# Altium PCB PCB.PcbDoc (continued)
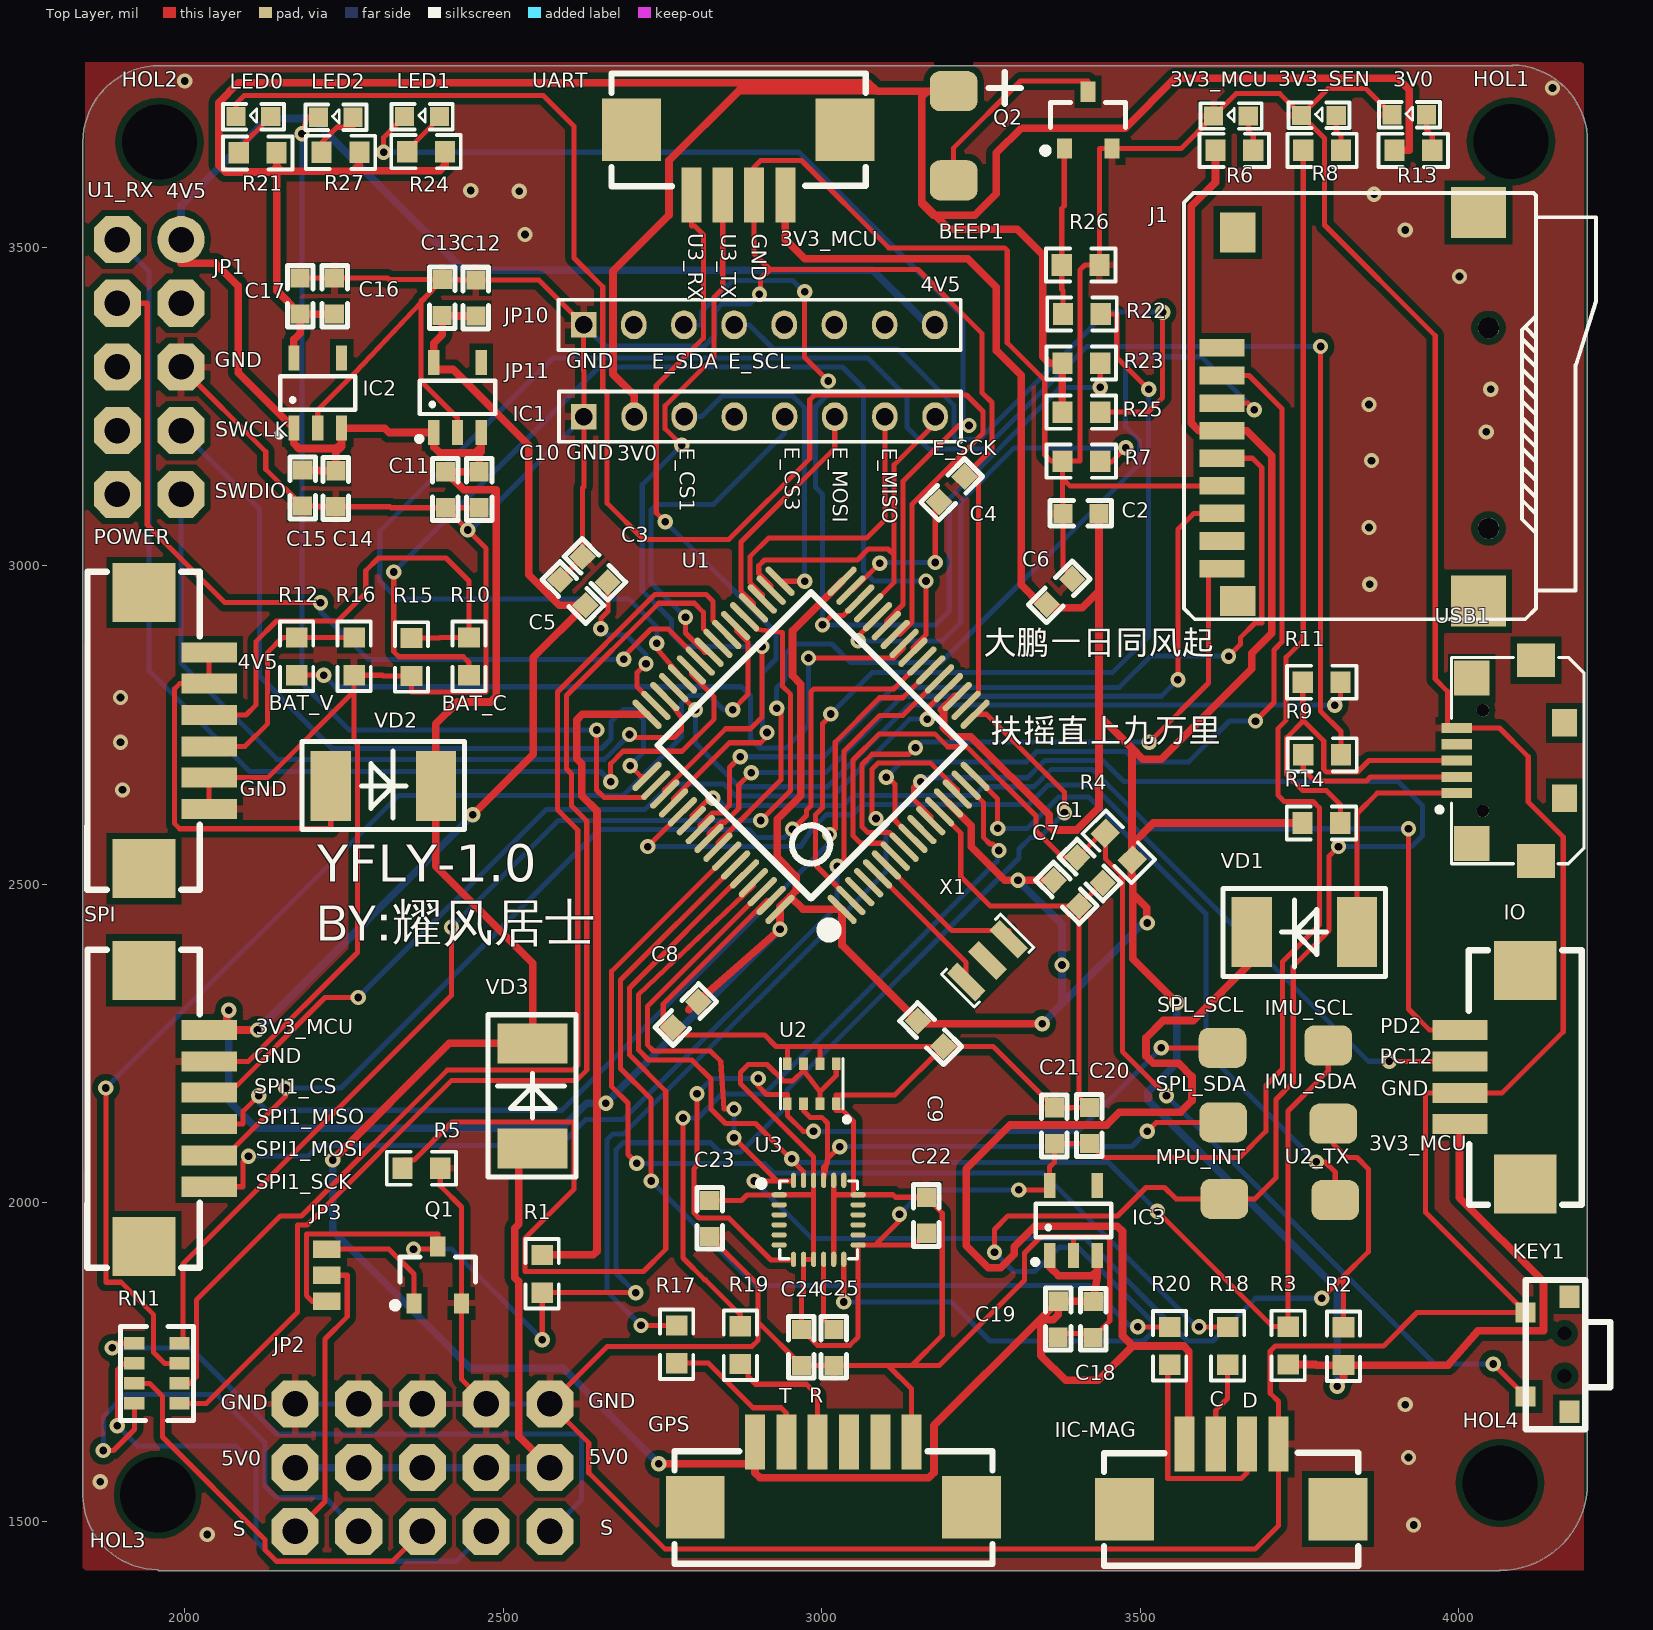
[diagram p0: Top Layer view]
## Nets (pads, with @x,y where several pads share a name; then routed paths per layer and width w, separated by ;. In a path a pad name is that pad's centre, name@x,y a point inside that pad or via, vN(x,y) a via of type N, cw(c..) or ccw(c..) an arc to the next point about the centre after c; other vN are vias at no path point)
3V0: BEEP1.1 C16.2 C17.2 IC2.5 JP11.2 R13.1 R21.1 R23.2 R24.1 R25.2 R27.1 | length 4614.3
  Top Layer w12: R21.1 2144,3627 ; IC2.5 2171.2,3355 2181,3364.8 C17.2 ; C16.2 C17.2 ; R27.1 2274,3629 ; R24.1 2408.31,3628.31 2400,3620 2274,3620 2274,3629 ; JP11.2 2705.3,3267.7 2672.04,3300.96 2672.04,3462.04 2760,3550 2760,3636 2870,3746 3085,3746 ; BEEP1.1 3166,3745 ; R25.2 R23.2 3356.95,3318.05 3347,3328 3347,3488 3307,3528 3200,3528 3178,3550 ; R13.1 3922,3652 3922,3747 3904,3765 3554,3765 3476,3687 3313,3687 3274,3648 3274,3584 3240,3550 3178,3550 ; 2144,3626 2144,3627 ; 2144,3626 2144,3432 C17.2 ; 2144,3626 2136,3618 2064,3618 2053,3629 2053,3727 2084,3758 3073,3758 3085,3746 ; 2144,3627 2152,3619 2264,3619 2274,3629 ; 3085,3746 3086,3745 3166,3745 ; 3157,3571 3157,3568 3175,3550 3178,3550 ; 3157,3571 3178,3550 ; 3157,3571 3157,3736 3166,3745
3V3_MCU: C2.1 C5.2 C6.2 C7.2 C8.2 C9.2 C12.2 C13.2 IC1.5 IO.1 J1.4 R1.1 R2.1 R3.1 R4.2 R6.1 R14.2 SPI.1 U1.1 U1.13 U1.19 U1.32 U1.48 U1.64 UART.1 | length 11388.8
  Top Layer w12: SPI.1 SPI.1@2066,2271.04 ; v1(2069,2302) 2066,2299 SPI.1@2066,2271.04 ; v1(2114.04,2271.04) SPI.1@2066,2271.04 ; v1(2452,2609) 2547,2704 2547,2856 C5.2 2588,2938 2540,2986 2540,3189 2421,3308 2390.6,3308 IC1.5 2390.6,3349 2403.94,3362.34 C13.2 2430,3392.5 2430.5,3392 C12.2 ; R1.1 2641,1918 2647,1924 2647,2615 2623,2639 2623,2689 2615,2697 2615,2757.71 2624,2766.71 U1.48 ; 2791,2303 v1(2934.3,2429.3) U1.64 2934.3,2464.41 U1.64@2950.45,2480.55 ; UART.1 2942.82,3512.18 2973,3482 3229,3482 3274.08,3436.92 3274.08,3337.92 3313,3299 3313,2970 3343.91,2939.09 C6.2 ; U1.32 2954,2897.79 2954,2827 2967,2814 2967,2639 2930,2602 2930,2542 2960,2512 2960,2490.11 U1.64@2950.45,2480.55 ; U1.13 3234.65,2591.63 3234.65,2558.73 3287.39,2506 v1(3307.89,2506) C7.2 ; U1.19 3208.76,2794.55 3187.85,2773.64 3191,2770.49 3191,2746 3205.31,2731.69 3234.03,2731.69 3357,2608.72 3357,2591.31 3363.17,2585.15 3400.15,2585.15 3435,2620 3435,2765 ; v1(3346,2281) 3155.09,2281 C9.2 3031.72,2404.37 U1.1 2970.49,2460.51 U1.64@2950.45,2480.55 ; C6.2@3362,2934.09 3409.09,2934.09 3435,2960 ; C2.1 3435,2960 ; v1(3511,2439) 3510,2440 3510,2463 3488,2485 ; v1(3557,2314) 3488,2383 3488,2485 ; R6.1 3618,3602 3580,3564 3580,3223.98 3592,3211.98 J1.4 3667.02,3211.98 3706.56,3172.44 3706.56,2894 3675,2862.44 3675,2838 3533,2696 3504,2696 3487,2713 ; R3.1 3775,1746 3776,1745 R2.1 ; R14.2 3520,2596 3487,2563 ; v1(3809,1712) 3819,1722 R2.1 ; IO.1 4001,2123.18 4001,2008 4133,1876 4133,1799 4030,1799 3983,1745 R2.1 ; 3435,2765 3487,2713 ; 3435,2765 3435,2960 ; 3487,2563 3487,2713 ; 3487,2563 R4.2 3486.2,2537.2 3486.2,2514.78 3488.21,2512.77 3488.21,2491.23 3488,2491.02 3488,2485
  Bottom Layer w12: v1(2069,2302) 2069,2160 2112,2117 2592,2117 2631,2156 v1(2661,2156) v1(2934.3,2429.3) ; v1(2114.04,2271.04) v1(2452,2609) ; v1(3307.89,2506) 3377,2436.88 v1(3377,2373) 3377,2312 ; v1(3346,2281) 3377,2312 ; v1(3511,2439) 3504,2439 3377,2312 ; v1(3557,2314) 3557,2219 3512,2174 3512,2161 3809,1864 v1(3809,1712)
3V3_SEN: C20.2 C21.2 C22.2 C23.2 C24.2 IC3.5 R8.1 U2.2 U2.6 U2.8 U3.1 U3.8 U3.9 U3.13 U3.22 | length 3641.9
  Top Layer w8: C23.2 2874,2003.5 2882.5,2012 2932,2012 2932,2012.37 U3.1 2987.13,2012.37 ; U2.6 2971.41,2208 ; U2.2 2997,2174 ; U2.8 3022.59,2199.59 2997,2174 ; v1(3122,1982) 3122,1971.63 3084,1933.63 ; C22.2 3145.63,1933.63 3084,1933.63 ; v1(3309,2020) 3357.6,2020 IC3.5 3357.6,2056 3365.06,2063.47 C21.2 3392,2092.5 3392.5,2093 C20.2 3442,2071 3656,2071 3697,2112 3697,2184 3723.24,2210.24 3723.24,2378.24 3781,2436 3781,2620 3771.16,2629.84 3725.97,2629.84 3715.81,2640 3715.81,2744.01 3729,2757.19 3729,2856.44 3755.69,2883.13 R8.1 ; 2971.41,2208 2997,2174 ; 2971.41,2208 2954.41,2191 2940.07,2191 2914.07,2217 2884.47,2217 2872,2204.53 2872,2187 2987.13,2071.87 U3.22 2987.13,2012.37 ; 2987.13,2012.37 U3.9 U3.8 2971.38,1857.38 2968,1854 C24.2 2993,1776 3044,1776 3057,1789 U3.13 3084,1933.63
  Bottom Layer w8: v1(3122,1982) 3160,2020 v1(3309,2020)
4V5: C10.2 C11.2 C14.2 C15.2 C18.2 C19.2 GPS.1 IC1.1 IC1.3 IC2.1 IC2.3 IC3.1 IC3.3 IIC-MAG.1 JP1.1 JP10.8 VD1.2 VD2.2 VD3.2 | length 7697
  Top Layer w12: JP1.1 1994,3475 2048,3475 2084,3439 2084,3303.2 IC2.1 2171.2,3192 2179.2,3184 2238,3184 2246,3192 ; C15.2 2210,3150 2211,3149 C14.2 2237,3178 2246,3187 2246,3192 ; v1(2232,2067) 2415,2250 VD3.2 2546,2376 2394,2528 VD2.2 2394,2752 2428,2786 2480,2786 2489.01,2795.01 2489.01,3119 2437.56,3119 C11.2 C10.2 2462.06,3176 2465.4,3179.34 2465.4,3186.4 ; IC1.3 2465.4,3186.4 ; v1(2744,1590) GPS.1@2894.97,1590 ; GPS.1 GPS.1@2894.97,1590 ; IC3.1 3357.6,1899 3371.6,1885 3424,1885 3432.4,1893.4 ; IC3.3 3432.4,1893.4 ; IIC-MAG.1 3569.18,1649 3576,1655.82 3576,1665.82 3576,1767 3568,1775 3488,1775 ; VD1.2 3675,2378 3583,2286 3536,2286 3509,2259 3509,2230 3520,2219 3560,2219 3581,2198 3581,2160 3563,2142 3467,2142 3447,2122 3296,2122 3226.91,2052.91 3226.91,1932.15 3261.06,1898 3280.94,1898 3302,1919.06 3302,1931 3334,1963 3464,1963 3472,1955 3472,1791 3488,1775 ; 2246,3192 IC2.3 2314,3216 2321,3209 IC1.1 2390.6,3186.4 2400,3177 2456,3177 2465.4,3186.4 ; GPS.1@2894.97,1590 2894.97,1576 2902.97,1568 3168,1568 3176,1576 3176,1650.19 3342.91,1817.09 C19.2 ; C19.2 3398.25,1845 C18.2 3432.4,1883.4 3432.4,1893.4 ; C19.2 3371.06,1824 3363.06,1816 3344,1816 3344,1760 3383,1721 3434,1721 3488,1775
  Bottom Layer w12: JP1.1 1994,3566 2130,3702 2200,3702 2438,3464 3080,3464 3166,3378 JP10.8 ; v1(2232,2067) 2232,1956 2448,1740 2594,1740 v1(2744,1590)
5V0: JP2.2 JP2.5 JP2.8 JP2.11 JP2.14 VD3.1 | length 948.3
  Top Layer w12: VD3.1 2524,2085 2524,1965.88 2517.99,1959.88 2517.99,1882.13 2524,1876.12 2524,1633 JP2.2
  Bottom Layer w12: JP2.14 JP2.11 JP2.8 JP2.5 JP2.2
BATT_CUR: R10.1 U1.24 | length 1666.7
  Top Layer w8: v1(2328,2990) 2328,2865 2336,2857 2437,2857 2446,2848 R10.1 ; U1.24 3143.07,2870.88 3163.59,2891.41 v1(3163.59,2976)
  Bottom Layer w8: v1(2328,2990) 2650,3312 3032.5,3312 3065.45,3279.05 3065.45,2992 3081.45,2976 v1(3163.59,2976)
BATT_VOL: R12.1 U1.25 | length 1175.1
  Top Layer w8: R12.1 v1(2217.93,2828.07) ; v1(2979,2855) 3112.82,2855 3128.15,2870.33 3128.15,2878.07 U1.25
  Bottom Layer w8: v1(2217.93,2828.07) 2236,2810 2874,2810 2888,2796 2888,2728.24 2902.24,2714 2944,2714 2979,2749 v1(2979,2855)
BEEP: R22.1 U1.2 | length 1426.9
  Top Layer w8: v1(3014,2767.1) 3014,2765 3001,2752 3001,2620 2990,2609 2990,2530.06 U1.2 ; R22.1 3463,3395 3463,3327 v1(3513,3277)
  Bottom Layer w8: v1(3014,2767.1) 3078.9,2832 3456,2832 3513,2889 v1(3513,3277)
E_CS1: JP11.3 U1.33 | length 521.3
  Top Layer w8: U1.33 v1(2973,2975.5)
  Bottom Layer w8: JP11.3 2811,3234 2843.5,3266.5 2954.5,3266.5 2973,3248 v1(2973,2975.5)
E_CS3: JP11.5 U1.41 | length 550.7
  Top Layer w8: v1(2786,2919) 2786,2894.36 2816.21,2864.15 U1.41
  Bottom Layer w8: v1(2786,2919) 2732,2973 2732,3088 2740,3096 2829.52,3096 2941.52,3208 JP11.5
E_MISO: JP11.7 U1.35 | length 472.4
  Top Layer w8: U1.35 2906.46,2954.4 2887,2973.86 2887,3014 2916.15,3043.15 3070.15,3043.15 3099,3072 JP11.7
E_MOSI: JP11.6 U1.36 | length 369.3
  Top Layer w8: U1.36 2892.54,2940.48 2873,2960.02 2873,3037 3020.26,3184.26 JP11.6
E_SCK: JP11.8 U1.29 U1.34 | length 617.2
  Top Layer w8: U1.34 2920.38,2968.32 2901,2987.7 2901,3000 2910,3009 3056,3009 3073,3026 3104,3026 3113.59,3016.41 ; U1.29 3113.59,2973.87 3113.59,3016.41 ; JP11.8 3177.74,3222.74 3113.59,3158.59 3113.59,3016.41
E_SCL: JP10.4 R25.1 | length 1100.5
  Top Layer w8: R25.1 3512.08,3241.08 3535,3264 v1(3535,3398)
  Bottom Layer w8: JP10.4 2886,3378 2924,3340 3119,3340 3207.74,3251.26 3207.74,3202 3211.74,3198 3246.96,3198 3446.96,3398 v1(3535,3398)
E_SDA: JP10.3 R23.1 U1.30 | length 1596.3
  Top Layer w8: v1(2973,3430) 2973,3327 v1(3010,3290) ; v1(3001,2907) 3016,2922 3033.89,2922 U1.30 ; v1(3437,3280) R23.1
  Bottom Layer w8: JP10.3 2811,3378 2811,3398.54 2860.46,3448 2954,3448 2972,3430 v1(2973,3430) ; v1(3010,3290) 3010,3269 2990,3249 2990,3123 3001,3112 v1(3001,2907) 3178,2907 3200,2929 3200,3105.18 3374.82,3280 v1(3437,3280)
GND: 3V0.2 3V3_MCU.2 3V3_SEN.2 C1.1 C2.2 C3.2 C4.1 C5.1 C6.1 C7.1 C8.1 C9.1 C10.1 C11.1 C12.1 C13.1 C14.1 C15.1 C16.1 C17.1 C18.1 C19.1 C20.1 C21.1 C22.1 C23.1 C24.1 C25.1 GPS.6 IC1.2 IC2.2 IC3.2 IIC-MAG.4 IO.2 J1.6 JP1.5 JP2.3 JP2.6 JP2.9 JP2.12 JP2.15 JP10.1 JP11.1 KEY1.1 POWER.5 POWER.6 Q1.2 Q2.2 R5.1 R7.1 R15.1 R16.1 R26.1 SPI.2 U1.12 U1.18 U1.63 U2.1 U2.5 U2.7 U3.11 U3.18 U3.20 UART.2 USB1.5 | length 17336.2
  Top Layer w8: JP1.5 2127,3179 2127,3151.44 C15.1 2210,3093.5 2211,3092.5 C14.1 2322,3092.5 2323.5,3091 C11.1 ; SPI.2 2100,2221.83 2271,2392.83 2271,2719 2265.7,2724.3 2265.7,2802.89 ; POWER.6 POWER.5 2130,2667.19 2265.7,2802.89 ; C17.1 C16.1 2318,3451.5 2320.5,3449 C13.1 ; IC2.2 2208.6,3244.6 2267,3303 2371,3413.83 ; R5.1 2401,2026.4 2434.4,1993 Q1.2 2434.4,1722.6 JP2.6 ; IC1.2 2428,3232 2371,3289 2371,3413.83 ; C10.1 C11.1 ; C5.1 2624.09,3013 C3.2 2624.09,3122 2626.56,3124.47 JP11.1 2626.56,3305 2626.04,3305.52 JP10.1 2555.54,3448.5 C12.1 2430.5,3448.5 2430,3449 C13.1 ; C23.1 2900,1871 2900,1812.44 ; v1(2902,3426) 2903.5,3427.5 2903.5,3450 2918.5,3465 ; U1.63 2913.65,2474.43 2751,2311.78 2751,2263.09 2910.24,2263.09 2928.13,2245.2 2945.82,2245.2 ; U2.5 2945.82,2245.2 ; U2.7 2997,2245.2 ; U3.11 3018.62,2012.37 ; U3.20 3018.62,2012.37 ; GPS.6 3141.04,1707.46 3104,1744.5 ; U1.12 3218,2580.45 3218,2512 3264,2466 C7.1 ; U1.18 3246,2800.04 3246,3140 C4.1 3267,3183 3267,3256 3251.74,3271.26 3251.74,3364.26 3151,3465 2918.5,3465 ; C19.1 3376.9,1794.65 3419.78,1794.65 C18.1 3452,1814.56 3452,1947 3395,1947 ; IC3.2 3395,1947 ; C6.1@3402,2974 3378.5,2997.5 C2.2 3377.69,3122.81 3377.69,3137 ; C1.1 3440,2502 C7.1 ; J1.6 3389.33,3125.36 3377.69,3137 ; 3V0.2 3854,3749 3795,3749 3V3_SEN.2 ; 2265.7,2802.89 R16.1 2310,2828 2311,2827 R15.1 2355.85,2802 2473.01,2802 2473.01,3026.99 v1(2444,3056) C11.1 ; 2371,3413.83 C13.1 ; 2371,3413.83 2371,3416 C13.1 ; 2900,1812.44 2900,1784 2890,1774 2663,1774 JP2.3 2634,1623 2634,1576 2754,1456 3680,1456 3716.82,1492.82 IIC-MAG.4 3716.82,1688 3704,1700.82 3704,1767 3712,1775 3882,1775 3934.54,1827.54 KEY1.1 3948,1984.51 3948,2172.39 IO.2 4068,2172.39 4164,2268.39 4164,2574 4109,2629 4109,2700.24 4064,2745.24 USB1.5 3982,2745.24 3982,2803 3963,2822 3963,3361 3789,3535 3789,3671 3V3_SEN.2 ; 2900,1812.44 C24.1 C25.1 3104,1744.5 ; 2918.5,3465 2893.61,3489.89 UART.2 2893.61,3625.61 2904,3636 2968,3636 3105,3499 3287,3499 3291,3495 3291,3350 3350,3291 3350,3174.11 3360,3164.11 R7.1 ; 2945.82,2245.2 2997,2245.2 ; 2997,2245.2 C9.1 ; 3018.62,2012.37 U3.18@3050,2012.37 ; U3.18@3050,2012.37 3050,2128 3033,2145 3022.59,2145 U2.1 3022.59,2169 3114.6,2169 C9.1 ; U3.18@3050,2012.37 U3.18 3111.87,2012.37 3115.74,2008.5 C22.1 3189,1983.56 3189,1792 3141.5,1744.5 ; 3104,1744.5 3141.5,1744.5 ; 3141.5,1744.5 3184.46,1744.5 3318,1878.04 3318,1921 3344,1947 3395,1947 ; C9.1 3268.93,2245.2 C21.1 3392,2149 3392.5,2149.5 C20.1 3404,2165.56 C7.1 ; 3377.69,3137 R7.1 ; R7.1 3405,3164.11 3405,3464 3413,3472 R26.1 3436,3654.71 Q2.2 3563.71,3654.71 3V3_MCU.2 3650,3741 3719,3741 3V3_SEN.2
  Bottom Layer w8: JP2.15 JP2.12 JP2.9 JP2.6 JP2.3 ; v1(2444,3056) 2448.56,3056 JP11.1 ; JP10.1 2659.04,3345 2816,3345 2832.26,3361.26 2832.26,3400 2842.76,3410.5 2886.5,3410.5 v1(2902,3426)
  other v1: 2035,1479 3929,1494 1867,1562 3921,1600 3916,1683 1902,2648 1899,2723 1899,2793 3860,2971 3859,3060 3863,3165 4043,3210 3859,3253 4050,3277 4001,3454 2534,3520 3916,3527 3867,3583 2525,3588 2449,3589 4147,3750 2000,3761
I2C1_SCL: R18.1 U1.58 | length 1607.5
  Top Layer w8: v1(2709.25,2061.75) 2695.55,2075.45 2695.55,2156.54 2670,2182.09 2670,2363.24 U1.58 ; v1(3592,1805) R18.1
  Bottom Layer w8: v1(2709.25,2061.75) 2909.7,2061.75 2924.67,2046.77 3346.75,2046.77 3588.52,1805 v1(3592,1805)
I2C1_SDA: R20.1 U1.59 | length 1499.7
  Top Layer w8: v1(2732,2034) 2732,2162.81 2684,2210.81 2684,2349.4 U1.59 ; v1(3496,1805) R20.1
  Bottom Layer w8: v1(2732,2034) 2896,1870 3420,1870 3481.94,1808.06 3492.94,1808.06 v1(3496,1805)
IMU_SCL: IMU_SCL.1 R3.2 U1.61 U3.23 | length 2077.3
  Top Layer w8: U1.61 2892.54,2497 2712,2326.47 2712,2240 2727.91,2224.09 2795.91,2224.09 2826,2194 2826,2147 2848.84,2124.16 2895.84,2124.16 v1@2951.92,2068.08 ; v1(2952.84,2069) v1@2951.92,2068.08 ; U3.23 2971.38,2048.62 v1@2951.92,2068.08 ; v1(3526.68,1986.63) 3708,1805.31 R3.2 3732,2144 3795,2207 IMU_SCL.1
  Bottom Layer w8: v1(2952.84,2069) 2958.68,2063.16 3450.15,2063.16 v1(3526.68,1986.63)
IMU_SDA: IMU_SDA.1 R2.2 U1.62 U3.24 | length 2174.3
  Top Layer w8: v1(2862,2102) 2930,2034 ; v1(2862,2147) 2846.5,2147 2841.24,2221.86 2825,2238.09 2735.91,2238.09 2726,2248 2726,2307.89 U1.62 ; v1(2894,2034) 2930,2034 ; U3.24 2955.63,2034 2930,2034 ; v1(3785,1850) 3819,1884 ; IMU_SDA.1 3803,2092 3824,2071 3840,2071 3858,2053 3858,1923 3819,1884 ; R2.2 3819,1884
  Bottom Layer w8: v1(2862,2102) v1(2862,2147) ; v1(2894,2034) 2984,1944 3413,1944 3574,1783 3614,1783 3681,1850 v1(3785,1850)
IO_PC12: IO.3 U1.53 | length 1576.3
  Top Layer w8: v1(2726.57,2559) U1.53 ; v1(3891,2222) 3891.39,2221.61 IO.3
  Bottom Layer w8: v1(2726.57,2559) 2967,2559 2984,2586 3007,2609 3048,2609 3064,2625 3324.82,2625 3355.82,2656 3424,2656 3858,2222 v1(3891,2222)
IO_PD2: IO.4 U1.54 | length 1589.7
  Top Layer w8: U1.54 2796.11,2599.7 2796.11,2607.44 2823.67,2635 v1(2829,2635) ; v1(3921,2587) 3921,2304 3954.18,2270.82 IO.4
  Bottom Layer w8: v1(2829,2635) 2835.02,2635 2846.73,2623.29 3033.29,2623.29 3049,2639 3239.27,2639 3253.27,2653 3333.02,2653 3360.33,2680.31 3424.58,2680.31 3517.89,2587 v1(3921,2587)
LED0: LED0.2 U1.26 | length 2373.9
  Top Layer w8: LED0.2 2080,3705 2080,3725 2093.19,3738.19 2562.81,3738.19 2611,3690 2611,3483.04 2656.04,3438 2656.04,3277.96 2663,3271 2663,3098 2720,3041 2854,3041 2981,3168 2981,3260.5 2988.5,3268 3227,3268 3253,3242 3253,3208 3141.59,3096.59 3141.59,2911.61 3121.97,2891.99 U1.26
LED1: LED1.2 U1.27 | length 1638.4
  Top Layer w8: v1(2312,3649) 2312,3672 LED1.2 ; U1.27 3101.31,2912.64 3127.59,2938.92 3127.59,3132.59 3215,3220 v1(3231,3220)
  Bottom Layer w8: v1(2312,3649) 2964,3649 3221.74,3391.26 3221.74,3229.26 v1(3231,3220)
LED2: LED2.2 U1.50 | length 1600
  Top Layer w8: v1(2184,3678) 2192,3704 LED2.2 ; v1(2646.42,2742) 2646.42,2648 2658.42,2636 2720.05,2636 U1.50
  Bottom Layer w8: v1(2184,3678) 2184,2816 2258,2742 v1(2646.42,2742)
MPU_INT: MPU_INT.1 U1.11 U3.12 | length 3105.3
  Top Layer w8: v1(3034.37,1844) U3.12 ; v1(3155,2661) 3152.84,2661 3144,2652.16 3144,2633.34 3170.91,2606.43 U1.11 ; v1(3271,1922) 3271,1958 3292,1979 3464,1979 3509,2024 3538,2024 3556,2006 MPU_INT.1 3680,2006 3713,2039 3713,2162 3740,2189 3740,2371 3796,2427 3796,2544 v1(3811,2559)
  Bottom Layer w8: v1(3034.37,1844) 3203,1844 3264,1783 3505.11,1783 3518,1795.89 3518,1814.11 3402.11,1930 3372.42,1930 3334.42,1892 3301,1892 v1(3271,1922) ; v1(3155,2661) 3161,2667 3322.77,2667 3350.08,2694.31 3440.81,2694.31 3474.13,2661 3905,2661 3943,2623 3943,2576 3926,2559 v1(3811,2559)
NetBEEP1_2: BEEP1.2 Q2.3 | length 322.5
  Top Layer w8: BEEP1.2 3207,3656 3312,3761 3418,3761 Q2.3
NetC3_1: C3.1 U1.47 | length 262.7
  Top Layer w8: v1(2653,2901) 2653,2917 2664,2928 C3.1 ; v1(2723.85,2845.86) 2710,2832 2710,2810.06 U1.47
  Bottom Layer w8: v1(2653,2901) 2662.55,2891.45 2692.4,2891.45 2723.85,2860 v1(2723.85,2845.86)
NetC4_2: C4.2 U1.31 | length 247.9
  Top Layer w8: U1.31 3048.58,2961.58 v1(3091,3004) ; v1(3178,3005) 3178,3094.09 C4.2
  Bottom Layer w8: v1(3091,3004) 3092,3005 v1(3178,3005)
NetC25_2: C25.2 U3.10 | length 116.7
  Top Layer w8: U3.10 3002.87,1817.13 C25.2
NetJP4_1: POWER.1 POWER.2 VD2.1 | length 633.8
  Top Layer w8: POWER.1 POWER.2 1992,2814.83 1984,2806.83 1984,2595 1992,2587 2229,2587 VD2.1
NetJP4_3: POWER.3 R10.2 R15.2 | length 782.8
  Top Layer w8: POWER.3 2096,2765.62 2112,2781.62 2112,2881.26 2144,2913.26 2240,2913.26 2284,2957.26 2284,2992 2304,3012 2410,3012 2446,2976 R10.2 2401,2887.31 2400,2886.31 R15.2
NetJP4_4: POWER.4 R12.2 R16.2 | length 364
  Top Layer w8: POWER.4 2094.4,2716.4 2130,2752 2130,2864 2153.38,2887.38 R12.2 2248,2887.38 2248.07,2887.31 R16.2
NetJP8_2: GPS.2 R17.2 | length 250.2
  Top Layer w8: R17.2 2822,1748 2892,1678 2936,1678 2944.18,1669.82 GPS.2
NetJP8_3: GPS.3 R19.2 | length 226.7
  Top Layer w8: R19.2 2884,1746.69 2884,1727 2896,1715 2976,1715 2993.39,1697.61 GPS.3
NetJP9_2: IIC-MAG.2 R18.2 | length 132.2
  Top Layer w8: IIC-MAG.2 3618.39,1674 3637,1692.61 R18.2
NetJP9_3: IIC-MAG.3 R20.2 | length 355.3
  Top Layer w8: R20.2 3543,1745.69 3543,1567 3658.61,1567 3667.61,1576 IIC-MAG.3
NetLED1_1: 3V3_MCU.1 R6.2 | length 57.2
  Top Layer w8: 3V3_MCU.1 3669.5,3682.81 3677.31,3675 R6.2
NetLED2_1: 3V3_SEN.1 R8.2 | length 58
  Top Layer w8: 3V3_SEN.1 3807.5,3682.5 3815,3675 R8.2
NetLED3_1: 3V0.1 R13.2 | length 59.6
  Top Layer w8: 3V0.1 3949.5,3683.81 3958.31,3675 R13.2
NetLED4_1: LED0.1 R21.2 | length 77.7
  Top Layer w8: R21.2 2084.69,3654.81 LED0.1
NetLED5_1: LED1.1 R24.2 | length 75.9
  Top Layer w8: R24.2 2349,3652 2399.5,3702.5 LED1.1
NetLED6_1: LED2.1 R27.2 | length 90.2
  Top Layer w8: R27.2 2214.69,3664 2239,3688.31 2264.19,3688.31 LED2.1
NetQ2_1: Q2.1 R22.2 R26.2 | length 262.1
  Top Layer w8: R22.2 3378.69,3432 3376.69,3434 R26.2 3376.69,3561 3380.6,3564.91 Q2.1
NetR5_2: R5.2 U1.60 | length 1497.3
  Top Layer w8: R5.2 2341.69,2067.01 2360.01,2067.01 2419.5,2126.5 2611,2126.5 2611,2021.01 2533.99,1944 2533.99,1892 2720,1892 2755,1927 2755,2175.09 2698,2232.09 2698,2337.03 2877.16,2516.18 U1.60
NetR7_2: R7.2 U1.28 | length 757.3
  Top Layer w8: v1(3057,2882) 3057,2889.43 U1.28 ; R7.2 3437,3163 3455,3163 v1(3477,3185)
  Bottom Layer w8: v1(3057,2882) 3189,2882 3218,2911 3218,3100.75 3302.25,3185 v1(3477,3185)
NetR9_1: R9.1 USB1.2 | length 274.2
  Top Layer w8: R9.1 3755.69,2680 3773.7,2661.99 3854.88,2661.99 3861.35,2668.46 USB1.2
NetR11_1: R11.1 R14.1 USB1.3 | length 657.1
  Top Layer w8: R14.1 3814,2625 3792,2647 3754.81,2647 3729.81,2672 3729.81,2730.01 3756.19,2756.38 ; USB1.3 3859.06,2694.06 3841,2675.99 3792,2675.99 3787.99,2680 3787.99,2724.57 3756.19,2756.38 ; 3756.19,2756.38 3755,2757.57 R11.1 3756.19,2756.38
NetUSB1_1: USB1.1 VD1.1 | length 355.8
  Top Layer w8: VD1.1 3840,2610.87 3872,2642.87 USB1.1
NRST: C1.2 KEY1.2 R4.1 U1.7 | length 1932.5
  Top Layer w8: U1.7 3094.95,2564.3 3060.7,2564.3 3049,2576 3049,2695 3090,2736 3177.18,2736 3197.49,2715.69 3227.4,2715.69 3336.23,2606.86 3336.23,2584 3378.23,2542 C1.2 3439.04,2579.94 R4.1 3445.06,2539.94 3470,2515 3470,2508.36 3472.21,2506.14 3472.21,2497.86 3472,2497.64 3472,2237 v1(3541,2168) ; v1(4054,1746.62) KEY1.2
  Bottom Layer w8: v1(3541,2168) 3962.38,1746.62 v1(4054,1746.62)
OSC_IN: U1.5 X1.1 | length 227.2
  Top Layer w8: U1.5 3226.59,2376.98 X1.1
OSC_OUT: U1.6 X1.3 | length 248.4
  Top Layer w8: U1.6 3204.42,2427 3293.41,2427 X1.3
OUT1: JP2.1 RN1.1 | length 1003
  Top Layer w8: v1(1886,1772) 1893.24,1779.24 RN1.1
  Bottom Layer w8: v1(1886,1772) 2009,1772 2144,1637 2621,1637 2623,1635 2623,1534 JP2.1
OUT2: JP2.4 RN1.3 | length 873.7
  Top Layer w8: v1(1894,1650) 1894,1737.75 1904,1747.75 RN1.3
  Bottom Layer w8: v1(1894,1650) 1926,1618 2080,1618 2112,1586 2112,1469 2144,1437 2426,1437 JP2.4
OUT3: JP2.7 RN1.5 | length 634.4
  Top Layer w8: RN1.5 1944.75,1716.25 1965,1696 1965,1632 2126,1471 2126,1455 2144,1437 2326,1437 JP2.7
OUT4: JP2.10 RN1.7 | length 701.2
  Top Layer w8: v1(1872,1611) 1888,1611 1921,1644 1921,1684.76 RN1.7
  Bottom Layer w8: v1(1872,1611) 1872,1664 1907,1699 2050,1699 2126,1623 2126,1555 2144,1537 2220,1537 JP2.10
PPM: JP3.3 Q1.3 R1.2 U1.17 | length 2300.5
  Top Layer w8: JP3.3 2200,1845 2191,1854 2191,1951 2397,1951 Q1.3 2397,1927 v1(2359,1927) ; v1(2561,1785) R1.2 v1(2708,1858.69) ; U1.17 3258.6,2766.71 3381,2644.31 v1(3381,2612.31)
  Bottom Layer w8: v1(2359,1927) 2419,1927 v1(2561,1785) ; v1(2708,1858.69) 2677,1889.69 2677,2083 2688,2094 2825.34,2094 2839.82,2079.52 2872.72,2079.52 2945.06,2151.86 2945.06,2176.37 3309.72,2541.03 3309.72,2555.24 3328,2573.52 3342.21,2573.52 v1(3381,2612.31)
RC_IN: JP2.13 JP3.2 | length 468
  Top Layer w8: JP2.13 2220,1531 2220,1786 2255,1821 2255,1886 JP3.2
S1: RN1.2 U1.37 | length 1775.9
  Top Layer w8: RN1.2 1997,1779.24 1997,1904 2418.57,2325.57 v1(2418.57,2432.57) ; U1.37 2898.51,2899.94 2938,2894.84 2938,2811 2951,2798 2951,2647 v1(2904,2600)
  Bottom Layer w8: v1(2418.57,2432.57) 2586,2600 v1(2904,2600)
S2: RN1.4 U1.38 | length 1937.7
  Top Layer w8: v1(1876,2180) 1876,1875 1900,1875 1951,1824 1951,1764.75 1968,1747.75 RN1.4 ; v1(2860,2774) 2884,2798 2884,2879.87 2865.71,2898.17 2865.71,2905.91 U1.38
  Bottom Layer w8: v1(1876,2180) 2335,2639 2688,2639 2779.74,2730.74 2779.74,2784 2791.74,2796 2823.74,2796 2845.74,2774 v1(2860,2774)
S3: RN1.6 U1.39 | length 1875.3
  Top Layer w8: RN1.6 2008,1716.25 2018,1726.25 2018,1847.12 2149.88,1979 2183,1979 2412,2208 2608.86,2208 2616.86,2216 2616.86,2585.14 2585,2617 2585,2801.89 2738.11,2955 2818,2955 2829,2944 2829,2913.77 U1.39
S4: RN1.8 U1.40 | length 1877.1
  Top Layer w8: RN1.8 2033.76,1684.76 2177,1828 2177,1965 2192,1965 2419,2192 2615,2192 2631,2208 2631,2599 2607,2623 2607,2673 2599,2681 2599,2796.09 2743.91,2941 2800,2941 2814,2927 2814,2900.94 U1.40
SBUS: JP3.1 Q1.1 | length 198.8
  Top Layer w8: JP3.1 2320.6,1927 2359.6,1888 Q1.1
SD_CS: J1.2 U1.9 | length 1368.6
  Top Layer w8: v1(3101,2668) 3104,2668 3115,2657 3115,2599.93 U1.9 ; J1.2 3670.41,3298.59 3722.56,3246.44 3722.56,2880.56 3709.77,2867.77 3709.77,2785.04 v1(3680.72,2756)
  Bottom Layer w8: v1(3101,2668) 3125,2692 3321,2692 3337.31,2708.31 3477,2708.31 3493.31,2692 3576,2692 3640,2756 v1(3680.72,2756)
SD_DETECT: J1.9 U1.8 | length 975.3
  Top Layer w8: U1.8 3106.09,2581 3072,2581 3063,2590 3063,2688 3079,2704 3137,2704 v1(3147,2714) ; v1(3514.12,2723) 3607,2815.88 3607,2995.44 J1.9
  Bottom Layer w8: v1(3147,2714) 3156,2723 v1(3514.12,2723)
SPI1_CS: SPI.3 U1.20 | length 1448.6
  Top Layer w8: SPI.3 2070.62,2172.62 2220,2322 v1(2272,2322) ; v1(3165.28,2759) 3165.28,2775 U1.20
  Bottom Layer w8: v1(2272,2322) 2567,2617 2722,2617 2762,2657 2846,2657 2864.49,2638.51 3017.51,2638.51 3138,2759 v1(3165.28,2759)
SPI1_MISO: SPI.4 U1.22 | length 1552.4
  Top Layer w8: SPI.4 2091.49,2123.4 2091.49,2143.49 v1(2116,2168) ; v1(3012,2578) 3021,2587 3021,2723 3090.61,2792.61 3127.21,2792.61 U1.22
  Bottom Layer w8: v1(2116,2168) 2116,2157.09 2128,2145.09 2592.09,2145.09 3012,2565 v1(3012,2578)
SPI1_MOSI: SPI.5 U1.23 | length 1568.1
  Top Layer w8: SPI.5 2065.02,2074.19 2158,2167.17 v1(2158,2180) ; v1(2954,2586) 2976,2608 2976,2616 2983,2623 2983,2801.97 2987.64,2806.61 3113.37,2806.61 U1.23
  Bottom Layer w8: v1(2158,2180) 2245,2180 2651,2586 2885,2586 2898,2573 2941,2573 v1(2954,2586)
SPI1_SCK: SPI.6 U1.21 | length 1635.9
  Top Layer w8: SPI.6 2091.49,2024.97 2091.49,2064.49 v1(2100,2073) ; v1(3024,2528) 3035,2539 3035,2709 3091,2765 3127.44,2765 U1.21
  Bottom Layer w8: v1(2100,2073) 2193.36,2073 2210.18,2089.81 2588.81,2089.81 2629.52,2130.52 2688.3,2130.52 3024,2466.22 v1(3024,2528)
SPI3_MISO: J1.7 U1.56 | length 1180.5
  Top Layer w8: U1.56 2822.95,2578.6 2841.51,2597.16 2848,2597.16 2869.5,2618.65 2869.5,2655.5 v1(2889,2675) ; v1(3559,2821) 3559,3057.06 3584,3082.06 J1.7
  Bottom Layer w8: v1(2889,2675) 3006.14,2675 3126.14,2795 3533,2795 v1(3559,2821)
SPI3_MOSI: J1.3 U1.57 | length 1516.3
  Top Layer w8: U1.57 2836.87,2564.68 2936,2663.81 2936,2769 v1(2929,2776) ; J1.3 3668.72,3255.28 v1(3679,3245)
  Bottom Layer w8: v1(2929,2776) 2929,2808.04 2942,2821.04 2942,2861 2958,2877 3015.78,2877 3044.78,2848 3187,2848 3499,3160 3499,3196 3477,3218 3477,3312 3493,3328 3596,3328 v1(3679,3245)
SPI3_SCK: J1.5 U1.55 | length 1372.9
  Top Layer w8: U1.55 2809.03,2592.52 2828.51,2612 2843,2612 2855,2624 2855,2683 v1(2872,2700) ; J1.5 3676,3168.67 3690.56,3154.11 3690.56,2910 3680,2910 3656.95,2886.95 3656.95,2876.39 v1(3638.56,2858)
  Bottom Layer w8: v1(2872,2700) 3003.17,2700 3112.17,2809 3467,2809 3516,2858 v1(3638.56,2858)
SPL_SCL: SPL_SCL.1 U2.4 U3.7 | length 1327.3
  Top Layer w8: v1(2804,2171) 2804,2058 2799,2053 2799,1984 2807,1976 2854,1976 2920,1910 2955.63,1910 U3.7 ; v1(2900,2195) 2900,2183 2913,2170 2945.82,2170 U2.4 2945.82,2137 2970.82,2112 v1(2986.82,2112) ; v1(3533,2243) SPL_SCL.1
  Bottom Layer w8: v1(2804,2171) 2828,2195 v1(2900,2195) ; v1(2986.82,2112) 3402,2112 v1(3533,2243)
SPL_SDA: SPL_SDA.1 U2.3 U3.21 | length 828.1
  Top Layer w8: U2.3 2971.41,2144 2981.41,2134 3000,2134 3009,2125 3009,2069 ; v1(3028,2088) 3009,2069 ; v1(3511,2112) 3525,2126 SPL_SDA.1 ; 3007.46,2060.46 3009,2069 ; 3007.46,2060.46 U3.21 3002.87,2055.87 3007.46,2060.46 ; 3007.46,2060.46 3009,2062 3009,2069
  Bottom Layer w8: v1(3028,2088) 3487,2088 v1(3511,2112)
SWCLK: JP1.7 U1.49 | length 1248
  Top Layer w8: v1(2699,2686) 2715.7,2669.3 U1.49
  Bottom Layer w8: JP1.7 2117,3089 2117,2827 2231,2713 2654,2713 2669,2728 2669,2755 2688,2774 2704,2774 2720,2758 2720,2707 v1(2699,2686)
SWDIO: JP1.9 U1.46 | length 1198.8
  Top Layer w8: v1(2698,2735) 2703,2730 2768,2730 2779.74,2741.74 2779.74,2761.43 2754.35,2794.55 U1.46
  Bottom Layer w8: JP1.9 1994,2847 2145,2696 2659,2696 v1(2698,2735)
U1_RX: JP1.2 U1.43 | length 1806
  Top Layer w8: v1(2668.42,2661) 2668.42,2689.09 2688,2708.66 2780.61,2708.66 2831,2759.05 2831,2793.68 2795.11,2829.57 U1.43
  Bottom Layer w8: JP1.2 1944,3462 1944,2835 2102,2677 2652.42,2677 v1(2668.42,2661)
U1_TX: JP1.4 U1.42 | length 1401.7
  Top Layer w8: JP1.4 1941,3412 1941,3064 2063,2942 v1(2213,2942) ; v1(2689,2853) 2689,2857.51 2731.89,2900.4 2758.85,2900.4 U1.42
  Bottom Layer w8: v1(2213,2942) 2213,2928 2288,2853 v1(2689,2853)
U2_TX: U1.16 U2_TX.1 | length 1061.5
  Top Layer w8: U1.16 3276,2633.8 v1(3276,2587.52) ; v1(3776,2064) 3790,2064 3806,2048 U2_TX.1
  Bottom Layer w8: v1(3276,2587.52) 3322.52,2587.52 3372,2637 3419,2637 3603,2453 3603,2237 v1(3776,2064)
U3_RX: U1.52 UART.4 | length 1175.4
  Top Layer w8: v1(2754,3069.04) 2740.04,3083 2740.04,3283.04 2814,3357 2814,3520 2801,3533 2795.18,3533 UART.4 ; U1.52 2767.27,2634.27 2854.99,2722 2904,2722 2914,2732 v1(2914,2738)
  Bottom Layer w8: v1(2754,3069.04) 2928,2895.04 2928,2853.35 2906.65,2832 2906.65,2745.35 v1(2914,2738)
U3_TX: U1.51 UART.3 | length 1249.5
  Top Layer w8: U1.51 2753.35,2648.19 2849.16,2744 2888,2744 2906,2762 v1(2906,2873) ; v1(2780,3189) 2754.04,3214.96 2754.04,3251.04 2831,3328 2831,3421.61 2844.39,3435 UART.3
  Bottom Layer w8: v1(2780,3189) 2718,3127 2718,2960.49 2763.8,2914.69 2763.8,2893.2 2784,2873 v1(2906,2873)
U4_RX_GPS: R19.1 U1.15 | length 1168.9
  Top Layer w8: v1(2782,2133) 2782,1913 2816,1879 2817,1879 2872,1824 R19.1 ; U1.15 3254,2627.97 3254,2573 3264,2563 3267.8,2563 v1(3278,2552.8)
  Bottom Layer w8: v1(2782,2133) 2805.4,2133 2843.3,2170.9 2909.9,2170.9 3275.93,2536.93 3275.93,2550.72 v1(3278,2552.8)
U4_TX_GPS: R17.1 U1.14 | length 1316.5
  Top Layer w8: v1(2716,1807.31) R17.1 ; v1(3085,2603) 3079,2609 3079,2681 3088,2690 3170.86,2690 3212.67,2648.19 U1.14
  Bottom Layer w8: v1(2716,1807.31) 2663,1860.31 2663,2099 2672,2108 2689,2108 3101,2520 3101,2592 3090,2603 v1(3085,2603)
USB_DM: R9.2 U1.44 | length 3036.7
  Top Layer w8: v1(2741,2878.4) 2741,2869.31 2781.11,2822.39 U1.44 ; v1(3783,3344) 3783,2771.57 3815,2739.57 R9.2
  Bottom Layer w8: v1(2741,2878.4) 2741,2904 2697,2948 2334,2948 2306,2976 2306,3054 2578,3326 3072,3326 3134,3264 3134,3217 3168,3183 3254.83,3183 3415.83,3344 v1(3783,3344)
USB_DP: R11.2 U1.45 | length 1225.9
  Top Layer w8: U1.45 v1(2801.74,2774) ; v1(3805,2781) 3814.31,2790.31 R11.2
  Bottom Layer w8: v1(2801.74,2774) 2801.74,2721.26 2870,2653 3009,2653 3137,2781 v1(3805,2781)
pads on no net: GPS.4 GPS.5 GPS.7 GPS.8 HOL1.1 HOL2.1 HOL3.1 HOL4.1 IC1.4 IC2.4 IC3.4 IIC-MAG.5 IIC-MAG.6 IO.5 IO.6 J1.0 J1.1 J1.8 JP1.3 JP1.6 JP1.8 JP1.10 JP10.2 JP10.5 JP10.6 JP10.7 JP11.4 KEY1.0 POWER.7 POWER.8 SPI.7 SPI.8 U1.3 U1.4 U1.10 U3.2 U3.3 U3.4 U3.5 U3.6 U3.14 U3.15 U3.16 U3.17 U3.19 UART.5 UART.6 USB1.0 USB1.4 X1.2

## Polygon pours and split planes (outlines as drawn)
GND on Bottom Layer "GND_L02_P000" (solid, remove dead copper, pour order 0): 1841,3799 1847,3793 4195,3793 4195,1425 4199,1421 1838,1421
GND on Top Layer "GND_L01_P001" (solid, remove dead copper, pour order 1): 1844,3790 4195,3790 4197,3788 4196,3787 4196,1423 1842,1423 1840,1425

## Silkscreen, mask and mechanical layers (free items; w line width, h text height)
Top Overlay:
  text "U1_RX" at 1847.03,3570.29 h40
  text "4V5" at 1971,3569.3 h40
  text "U3_RX" at 2782.29,3521.97 h40 r270
  text "U3_TX" at 2834.29,3520.97 h40 r270
  text "GND" at 2882.3,3520.97 h40 r270
  text "3V3_MCU" at 2935.03,3493.29 h40
  text "4V5" at 3155,3422.3 h40
  text "GND" at 2047.03,3303.3 h40
  text "GND" at 2599.03,3302.3 h40
  text "E_SDA" at 2733.03,3301.29 h40
  text "E_SCL" at 2853.03,3301.29 h40
  text "SWCLK" at 2048,3194.44 h40
  text "E_CS3" at 2934.29,3186.97 h40 r270
  text "E_MOSI" at 3009.29,3186.97 h40 r270
  text "E_CS1" at 2769.29,3184.97 h40 r270
  text "E_MISO" at 3087.29,3184.97 h40 r270
  text "E_SCK" at 3173.03,3165.29 h40
  text "GND" at 2598.72,3158.55 h40
  text "3V0" at 2678.72,3156.55 h40
  text "SWDIO" at 2047,3098.3 h40
  text "大鹏一日同风起" at 3254,2848.45 h65
  text "4V5" at 2083,2829.3 h40
  text "BAT_V" at 2132.03,2765.29 h40
  text "BAT_C" at 2403.03,2764.29 h40
  text "扶摇直上九万里" at 3264.05,2710.18 h65
  text "GND" at 2086.03,2630.3 h40
  text "YFLY-1.0" at 2208.07,2484.11 h100
  text "BY:耀风居士" at 2206.07,2391.51 h100
  text "PD2" at 3877,2258 h40
  text "3V3_MCU" at 2111.03,2256.29 h40
  text "GND" at 2109.03,2211.3 h40
  text "PC12" at 3876,2210.44 h40
  text "SPI1_CS" at 2109,2163.29 h40
  text "GND" at 3878.03,2160.3 h40
  text "SPI1_MISO" at 2113,2115.29 h40
  text "3V3_MCU" at 3859.03,2073.29 h40
  text "SPI1_MOSI" at 2111,2065.29 h40
  text "SPI1_SCK" at 2111,2013.29 h40
  text "R" at 2980,1678 h40
  text "T" at 2933.03,1677 h40
  text "C" at 3609,1671.44 h40
  text "D" at 3660,1670 h40
  text "GND" at 2633.03,1669.3 h40
  text "GND" at 2056.03,1667.3 h40
  text "5V0" at 2634.03,1581.3 h40
  text "5V0" at 2057.03,1579.3 h40
  text "S" at 2652,1470.3 h40
  text "S" at 2075,1468.3 h40
Mechanical 1:
  lines w10: 1958,1422 4064.83,1422 ; 1958,1424 cw(c1957.5,1541.5) 1840,1541 1840,3665 cw(c1960,3665) 1960,3785 4083,3785 ; 4064.25,1422.83 ccw(c4064.83,1560) 4202,1559.42 ; 4084,3786 cw(c4082,3666) 4202,3664 4202,1560